# Altium PCB REB215_XPRO_Extension.PcbDoc (part 1 of 5) (continued)
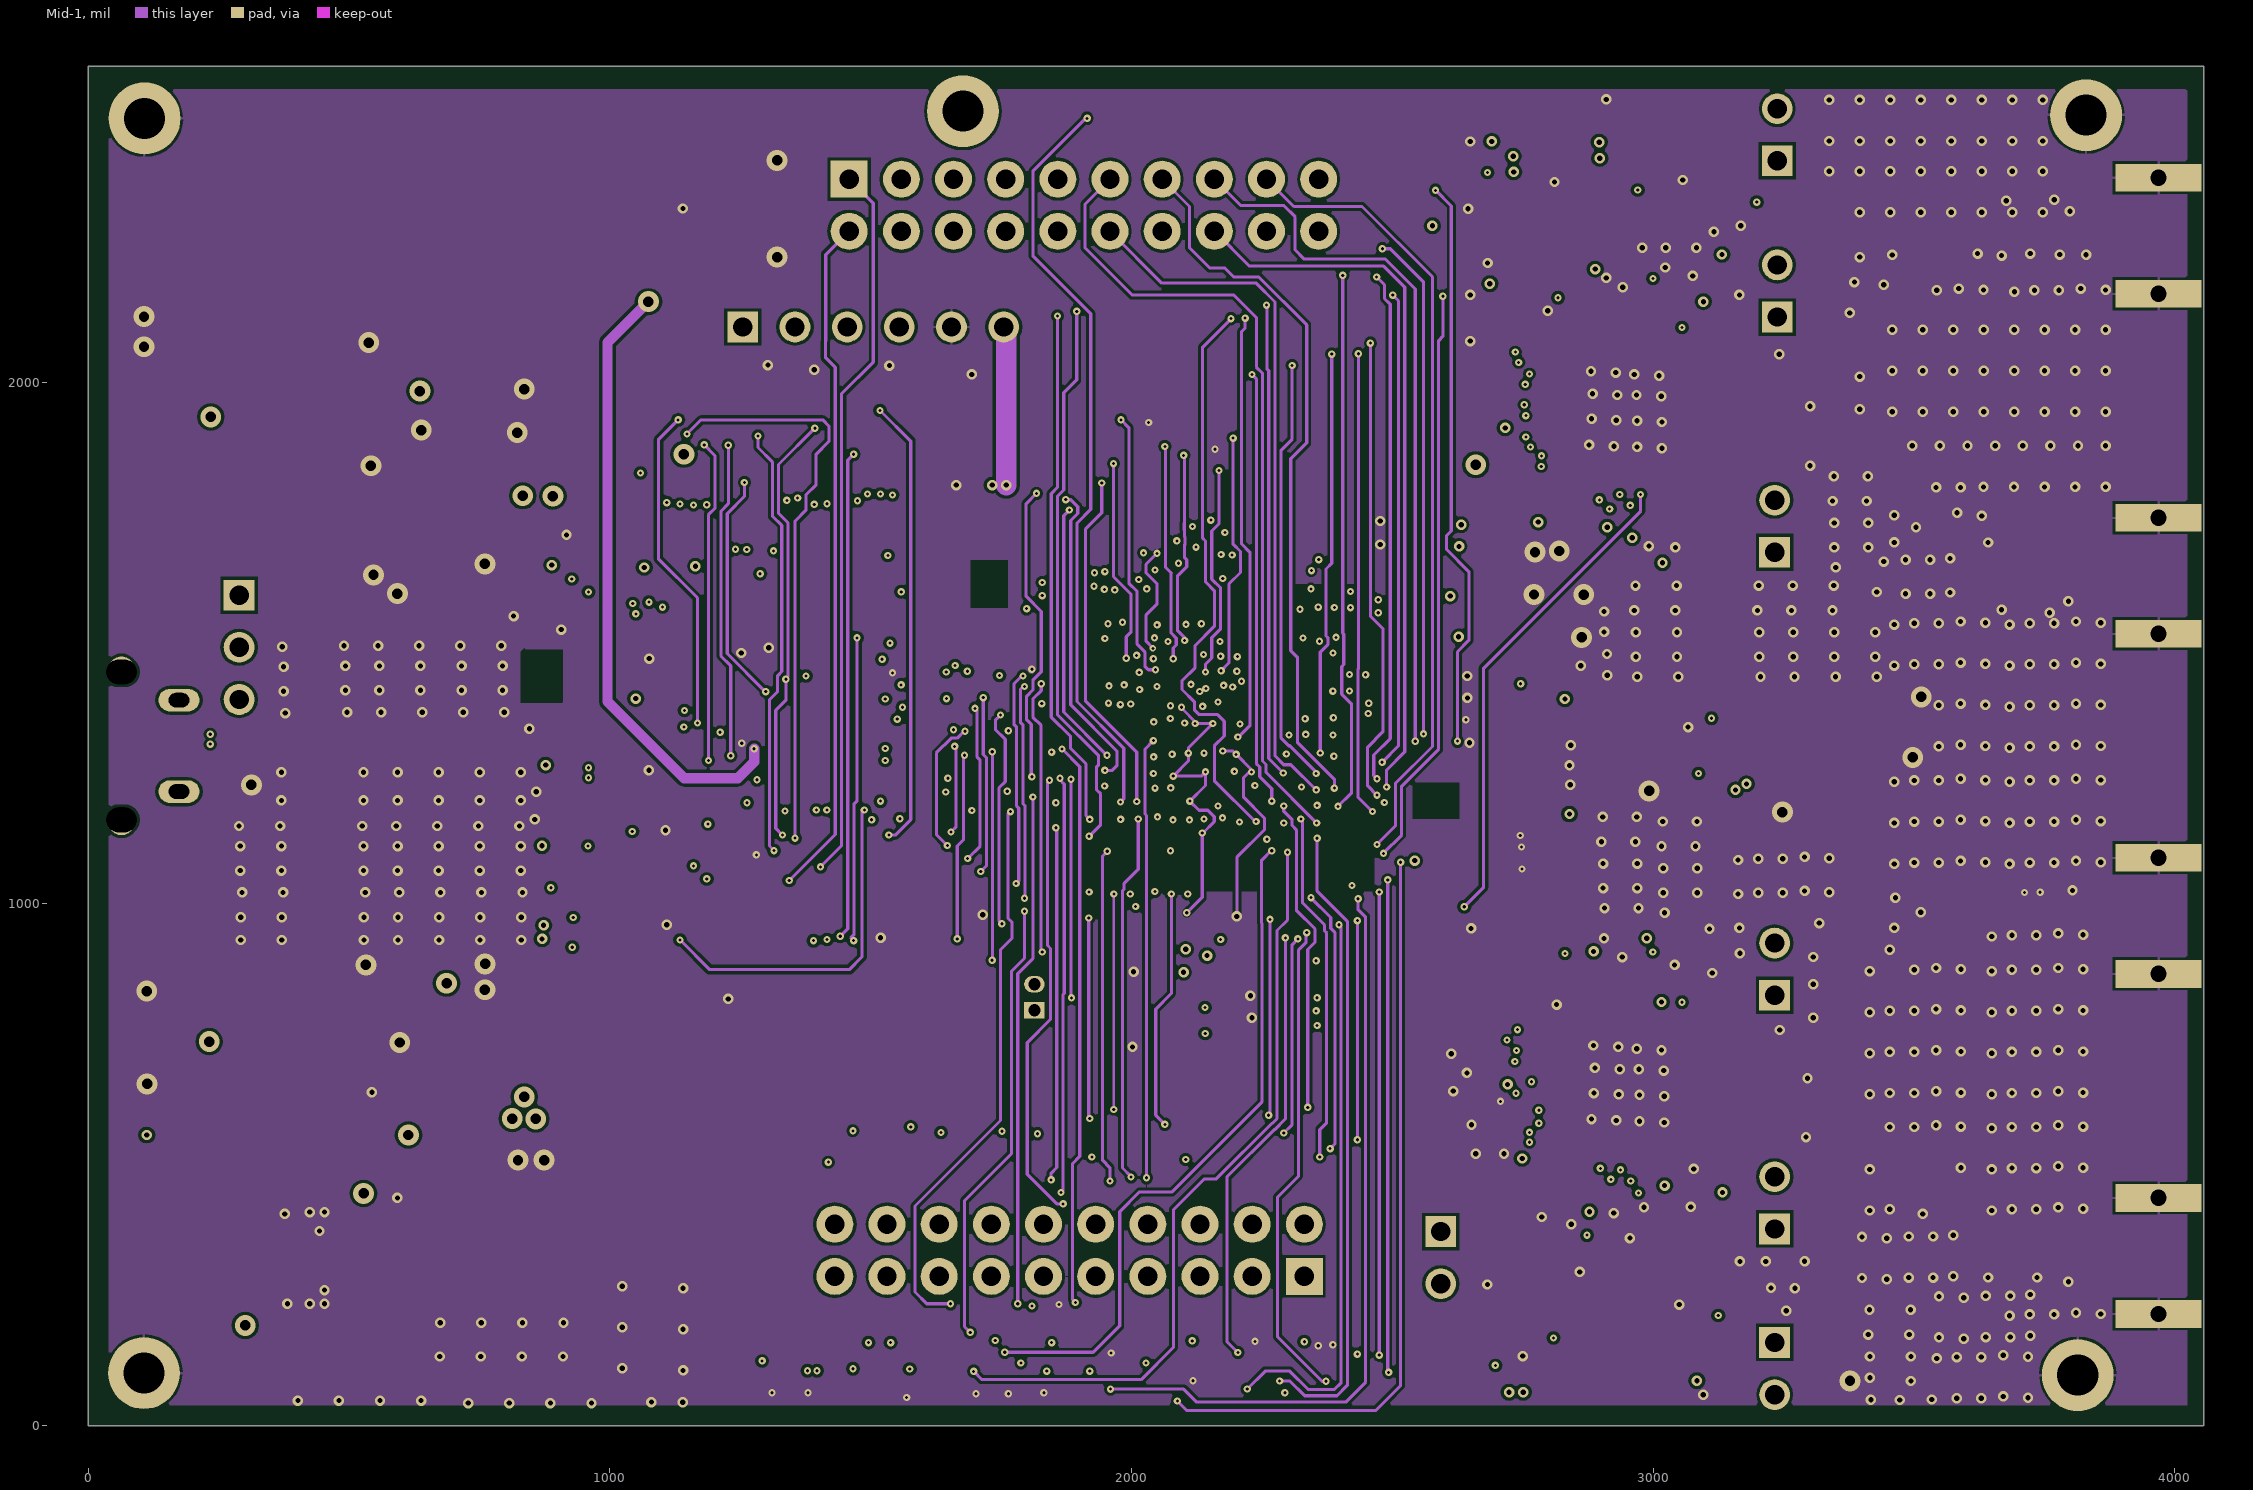
[diagram p4: Mid-1]
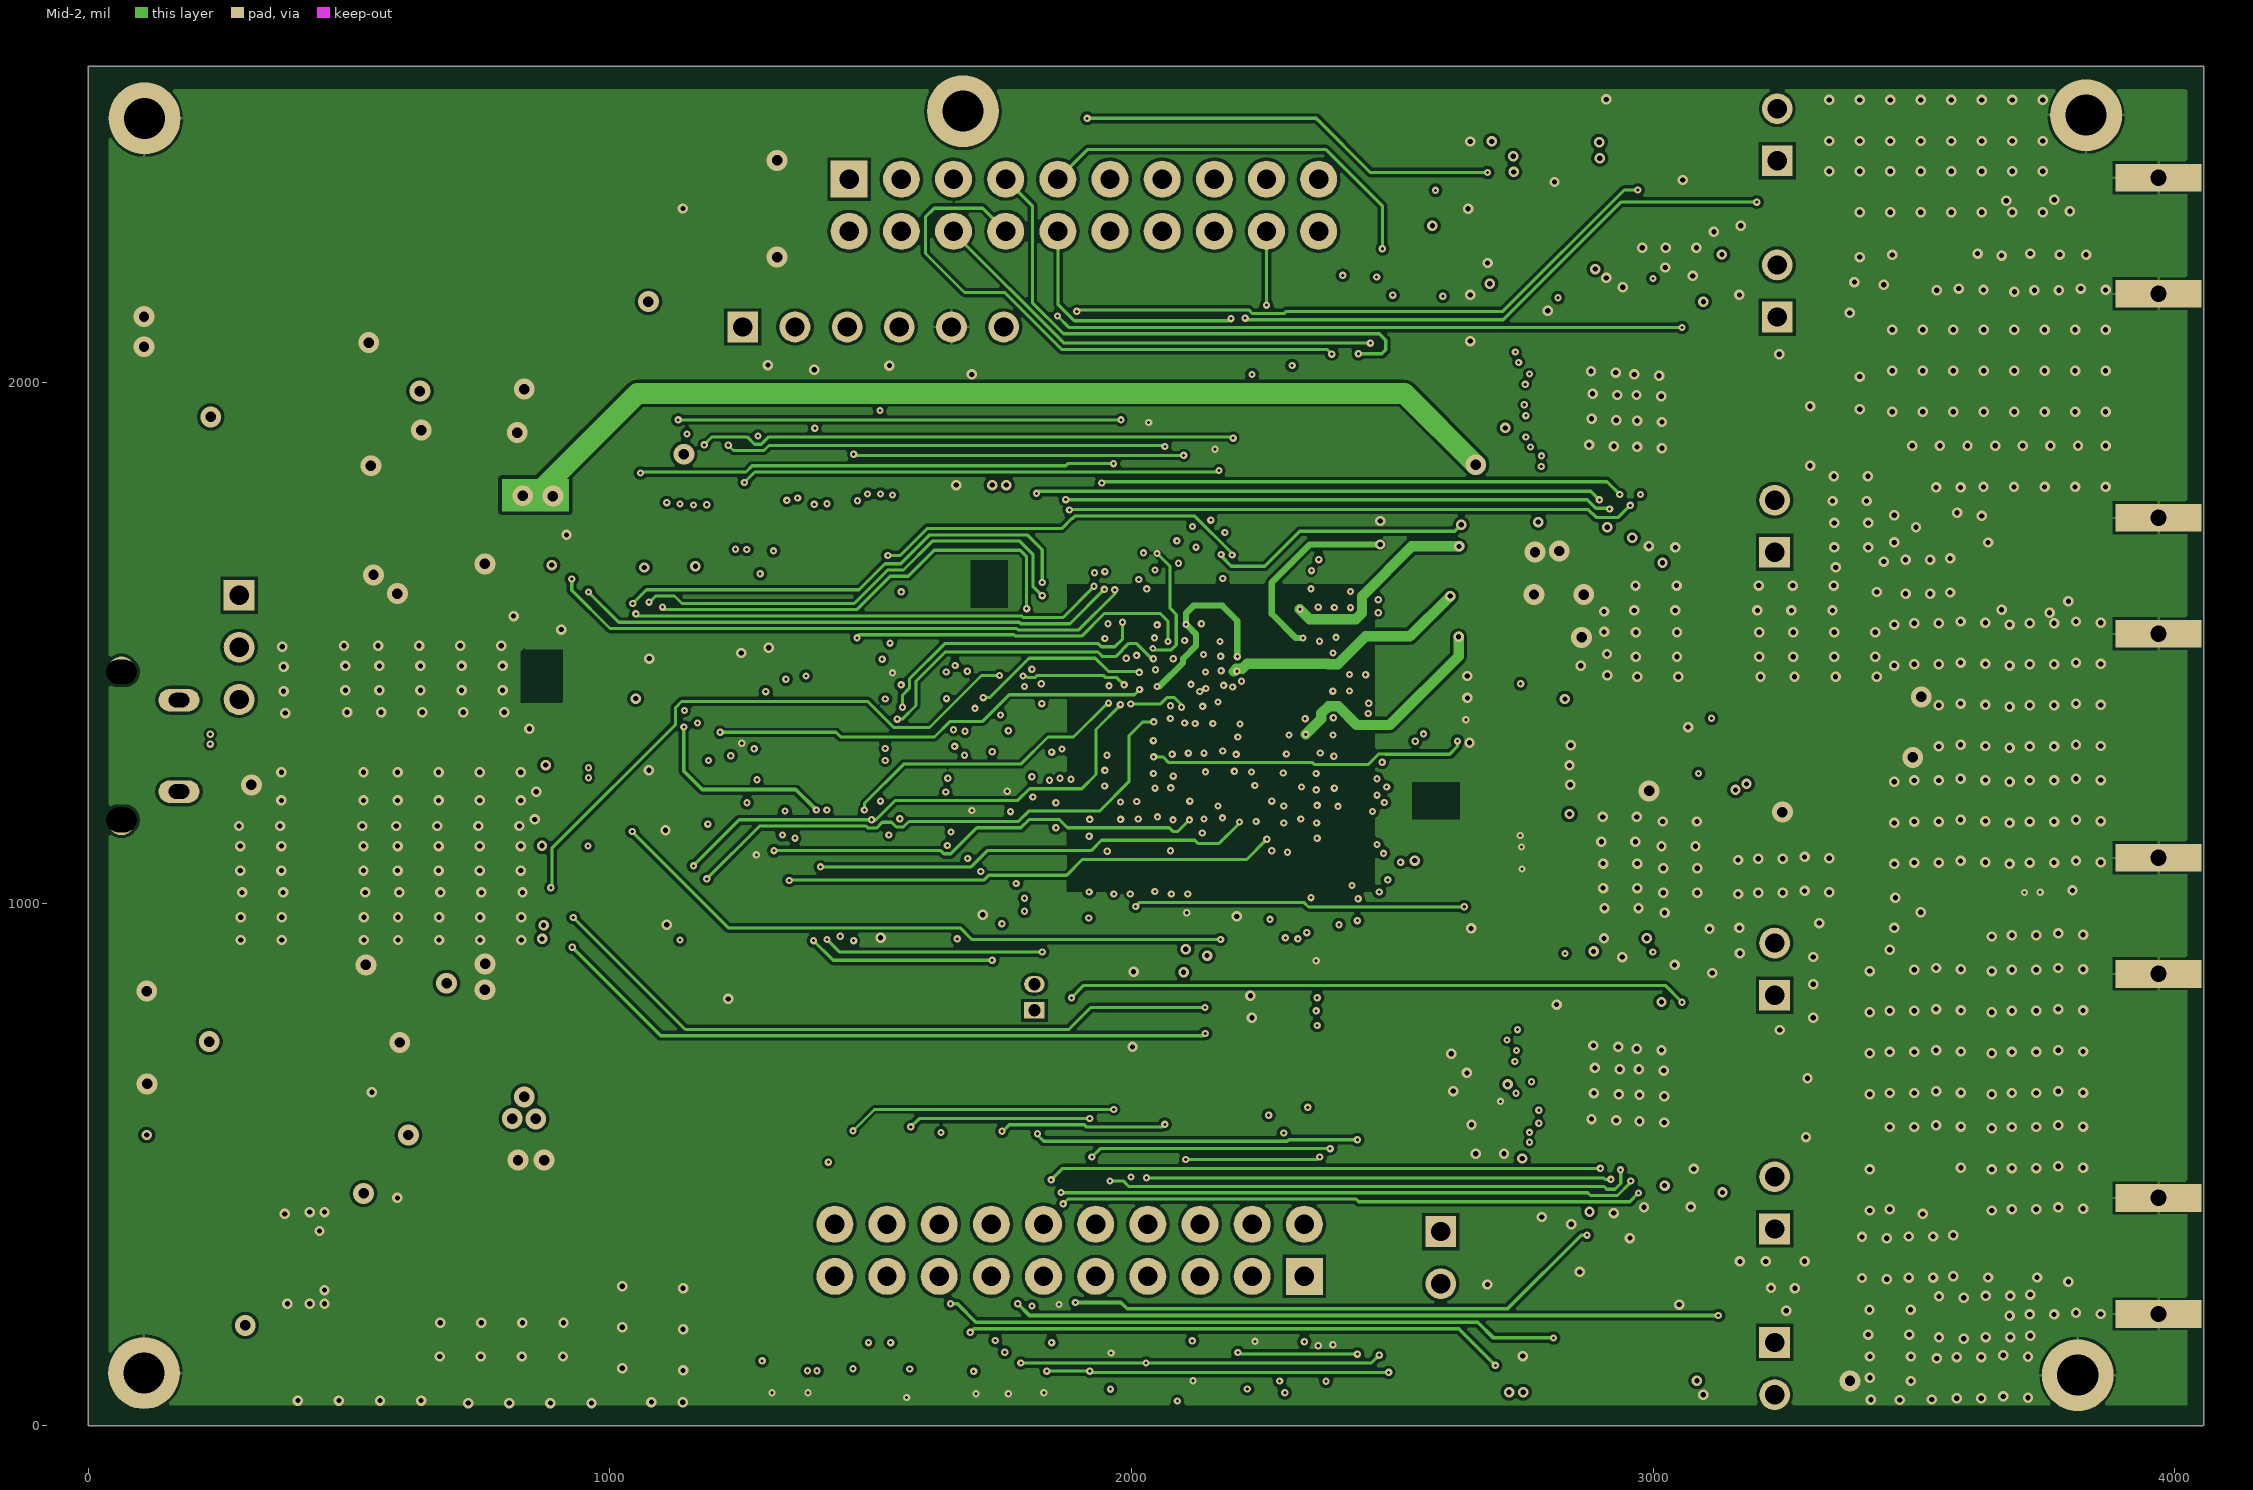
[diagram p5: Mid-2]
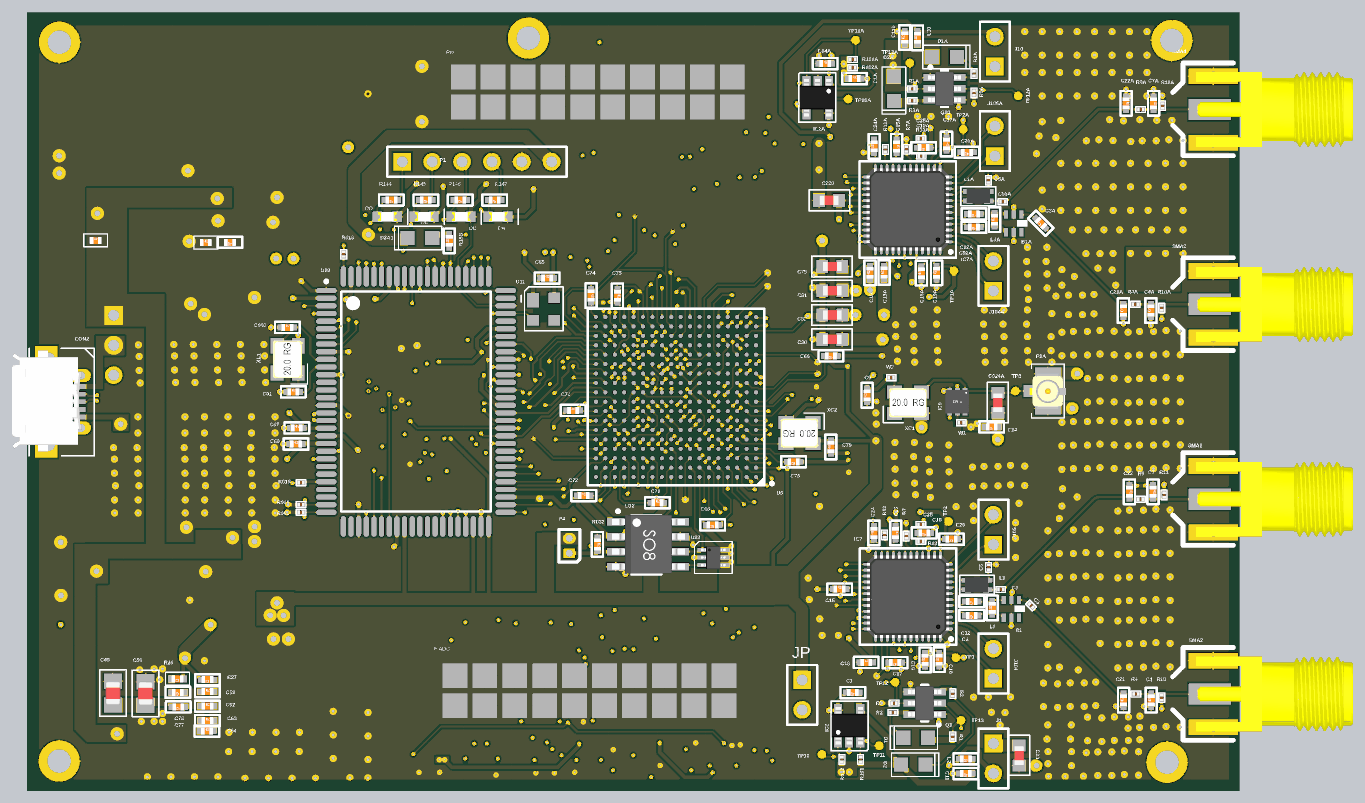
[diagram p10: 3D render of the assembled board from above, using the file's embedded part models]
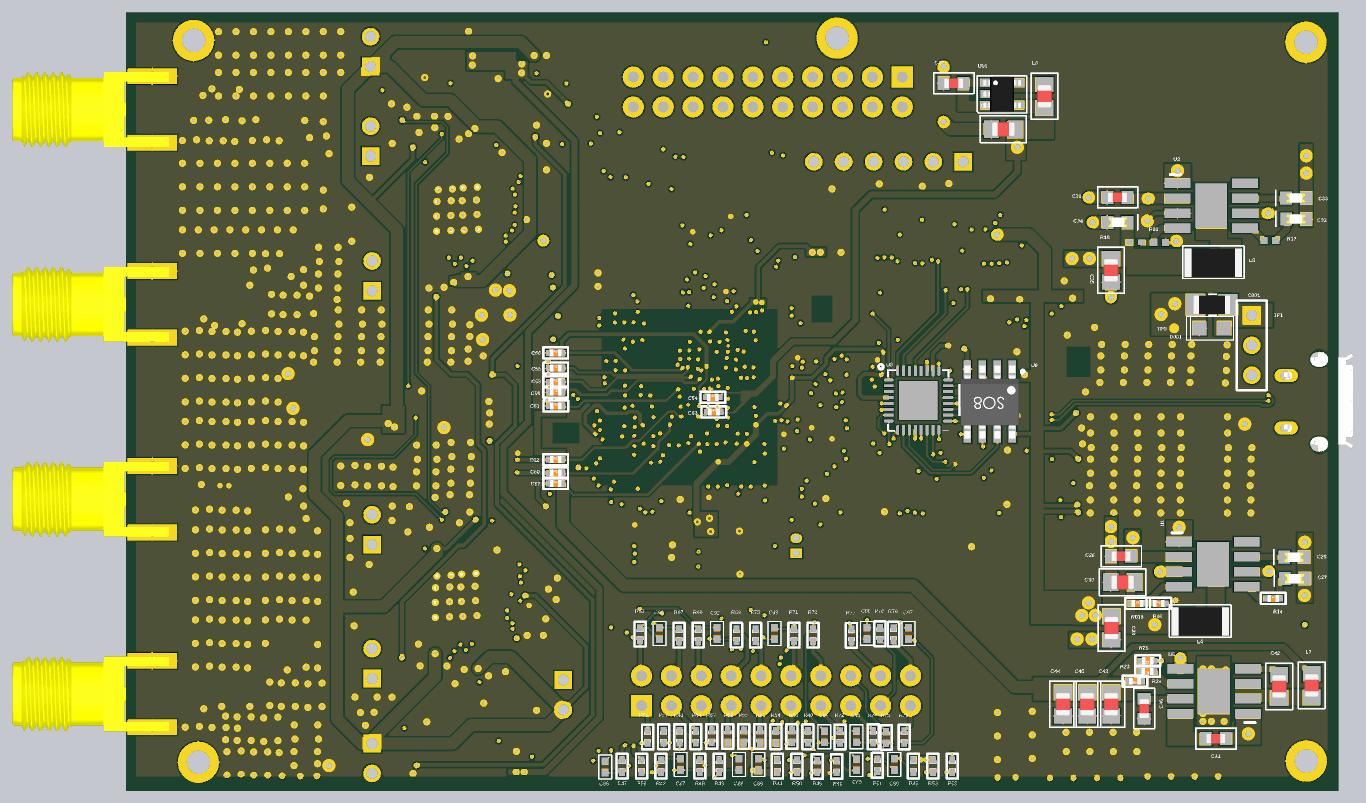
[diagram p11: 3D render of the assembled board from below, using the file's embedded part models]

## Layer stack, top to bottom
Top Solder: solder mask 0.4, Solder Resist, Dk 3.5
Top Layer LF-signals: signal copper 1.4
Dielectric1: core 10, FR-4, Dk 4.2
Signal Layer 1: signal copper 1.417
Dielectric 5: prepreg 10, Dk 4.2
Internal Plane 1: plane copper 1.417, net GND
Dielectric 4: core 10, Dk 4.2
Mid-1: signal copper 1.4
Dielectric2: prepreg 10, FR-4, Dk 4.2
Mid-2: signal copper 1.4
Dielectric3: core 10, FR-4, Dk 4.2
Bottom Layer LF-signals: signal copper 1.4
Bottom Solder: solder mask 0.4, Solder Resist, Dk 3.5

## Board outline
0,0 0,2606 4055.74,2606 4055.74,0.74 4055,0

## Design rules (kind name [scope] priority, off if disabled: settings)
AcuteAngle [All] p1: minimum=0.00000000000000E+0000 checktracksonly=FALSE
AssemblyTestPointUsage [All] p1: allowmultiple=TRUE
AssemblyTestpoint [All] p1: testpointundercomponent=TRUE minsize=31.5 maxsize=393.7 preferedsize=31.5 minholesize=0 maxholesize=78.74 preferedholesize=9.84 testpointgrid=1 usegrid=FALSE gridtolerance=0.01 allowsidebottom=TRUE minspacing=50 compbodyclearance=5
Clearance Clearance_1 [(InDifferentialPairClass('All Differential Pairs'))] p1: gap=5 ignorepadtopadclearanceinfootprint=FALSE except(0: Arc-Hole Track-Hole SMDPad-Hole THPad-Hole Via-Hole Fill-Hole Poly-Hole Region-Hole Text-Hole)
Clearance Clearance_2 [All] p2: gap=5.91 ignorepadtopadclearanceinfootprint=FALSE except(0: Arc-Hole Track-Hole SMDPad-Hole THPad-Hole Via-Hole Fill-Hole Poly-Hole Region-Hole Text-Hole)
Clearance Clearance_TP [InComponentClass('TP') vs IsRegion] p3 off: gap=11.81 ignorepadtopadclearanceinfootprint=FALSE except(0: Arc-Hole Track-Hole SMDPad-Hole THPad-Hole Via-Hole Fill-Hole Poly-Hole Region-Hole Text-Hole)
Clearance Clearance_Poly_Impedance [IsRegion vs (InDifferentialPairClass('All Differential Pairs') OR InNet('NetC22_1') OR InNet('NetC7_1') OR InNet('NetC3_2') OR InNet('NetB1_1') OR InNet('NetC4_1')) OR Innet('netRF24_P') OR InNet('NetC8_2') OR InNet('NetC8_1') OR InNet('NetB1_3') OR InNet('NetB1_4')] p4 off: gap=15.75 ignorepadtopadclearanceinfootprint=FALSE except(0: Arc-Hole Track-Hole SMDPad-Hole THPad-Hole Via-Hole Fill-Hole Poly-Hole Region-Hole Text-Hole)
Clearance 900Mhz_df [InNet('RF09_P') or InNet('RF09_N') Or InNet('RF24_P') or InNet('RF24_N')] p5: gap=9.84 ignorepadtopadclearanceinfootprint=FALSE except(0: Arc-Hole Track-Hole SMDPad-Hole THPad-Hole Via-Hole Fill-Hole Poly-Hole Region-Hole Text-Hole)
Clearance Clearance_SPI [InNetClass('SPI') vs InNetClass('SPI')] p6: gap=9.45 ignorepadtopadclearanceinfootprint=FALSE except(0: Arc-Hole Track-Hole SMDPad-Hole THPad-Hole Via-Hole Fill-Hole Poly-Hole Region-Hole Text-Hole)
Clearance "Stitching GND" [IsStitchingVia and InNet('GND') vs (IsVia and (Not IsStitchingVia)) Or IsPad] p7: gap=7.87 ignorepadtopadclearanceinfootprint=FALSE except(0: Arc-Hole Track-Hole SMDPad-Hole THPad-Hole Via-Hole Fill-Hole Poly-Hole Region-Hole Text-Hole)
Clearance Clearance_Poly_Impedance_1 [IsRegion vs (InNet('VCC_TARGET') OR InNet('VCC_3V3') OR InNet('NetJ1_1'))] p8 off: gap=11.81 ignorepadtopadclearanceinfootprint=FALSE except(0: Arc-Hole Track-Hole SMDPad-Hole THPad-Hole Via-Hole Fill-Hole Poly-Hole Region-Hole Text-Hole)
Clearance Clearance_Poly [IsRegion vs (OnLayer('Top Layer LF-signals') OR OnLayer('Bottom Layer LF-signals'))] p9: gap=10 ignorepadtopadclearanceinfootprint=FALSE except(0: Arc-Hole Track-Hole SMDPad-Hole THPad-Hole Via-Hole Fill-Hole Poly-Hole Region-Hole Text-Hole)
Clearance [All] p10: gap=5.91 ignorepadtopadclearanceinfootprint=FALSE except(0: Arc-Hole Track-Hole SMDPad-Hole THPad-Hole Via-Hole Fill-Hole Poly-Hole Region-Hole Text-Hole)
DiffPairsRouting [(InDifferentialPairClass('All Differential Pairs'))] p1: maxlimit=5.5 minlimit=5 mostfreqgap=5.5 toplayer_maxgap=5 toplayer_prefgap=5 toplayer_minwidth=6.5 toplayer_maxwidth=6.5 toplayer_prefwidth=6.5 midlayer1_mingap=5.5 midlayer1_minwidth=5 midlayer1_maxwidth=5 midlayer1_prefwidth=5 midlayer2_mingap=5.5 midlayer2_minwidth=5 midlayer2_maxwidth=5 midlayer2_prefwidth=5 midlayer3_mingap=5.5 midlayer3_minwidth=5 midlayer3_maxwidth=5 midlayer3_prefwidth=5 bottomlayer_maxgap=5 bottomlayer_prefgap=5 bottomlayer_minwidth=6.5 bottomlayer_maxwidth=6.5 bottomlayer_prefwidth=6.5 maxuncoupledlength=787.4
FabricationTestPointUsage TestPointUsage [All] p1: valid=0 allowmultiple=TRUE
FabricationTestpoint Testpoint [All] p1: side=2 testpointundercomponent=TRUE minsize=21.65 maxsize=393.7 preferedsize=31.5 minholesize=0 maxholesize=78.74 preferedholesize=9.84 testpointgrid=0 allowsidebottom=TRUE usegrid=FALSE gridtolerance=0.01 minspacing=50 compbodyclearance=5
HoleSize [All] p1: absolutevalues=TRUE maxlimit=393.7 minlimit=5.91 maxpercent=80.000 minpercent=20.000
HoleToHoleClearance [All] p1 off: gap=11.81 allowstackedmicrovias=TRUE
MaxMinImpedance "50ohm Impedance" [InNetClass('50ohm Impedance')] p1: minimum=49.00 maximum=51.00
MinimumAnnularRing MinimumAnnularRing_SATA [InComponentClass('Sata')] p1: minimumring=1.57
MinimumAnnularRing [All] p2: minimumring=3.94
MinimumSolderMaskSliver [All] p1: minsoldermaskwidth=0
PlaneClearance [All] p1: clearance=7.87
PlaneConnect PlaneConnect_VIA [IsVia] p1: planeconnectstyle=Direct reliefexpansion=20 reliefentries=4 reliefconductorwidth=10 reliefairgap=10
PlaneConnect [All] p2: planeconnectstyle=Relief reliefexpansion=20 reliefentries=4 reliefconductorwidth=10 reliefairgap=10
PolygonConnect PolygonConnect_VIA [IsVia OR HasPad('Free-666')] p1: connectstyle=Direct reliefconductorwidth=10 reliefentries=4 polygonreliefangle="90 Angle" airgapwidth=10
PolygonConnect [All] p2: connectstyle=Relief reliefconductorwidth=4.92 reliefentries=4 polygonreliefangle="90 Angle" airgapwidth=4.92
RoutingVias [All] p1: holewidth=10 width=20 viastyle="Through Hole" minholewidth=6 minwidth=12 maxholewidth=20 maxwidth=40
SMDNeckDown [All] p1 off: percent=90.000
SilkToSilkClearance SilkToSilkClearance_Text [IsText vs IsText] p1: silktosilkclearance=0
SilkToSilkClearance [All] p2: silktosilkclearance=3.94
SilkToSolderMaskClearance SilkscreenOverComponentPads [IsPad] p1 off: minsilkscreentomaskgap=0.39 clearancetoexposedcopper=TRUE
SolderMaskExpansion SolderMaskTenting [IsVia AND NOT (IsFabTestpoint OR IsAssyTestpoint)] p1: expansion=-39.37
SolderMaskExpansion [All] p2: expansion=1.97
ViasUnderSMD [All] p1: allowed=FALSE
Width Width_1 [(InDifferentialPairClass('All Differential Pairs'))] p1: maxlimit=10 minlimit=10 preferedwidth=10
Width [All] p2: maxlimit=40 minlimit=5 preferedwidth=12
18 further rules are at their usual default settings.

## Classes and differential pairs
net class NewClass: A-ID_SCL A-ID_SDA A-IRQ A-LED_POWER A-LED_TXRX A-MISO A-MOSI A-R\S\T\N\ A-S\S\_\S\E\L\ A-SCLK ID_SCL ID_SDA IRQ LED_POWER LED_TXRX MISO MOSI R\S\T\N\ S\S\_\S\E\L\ SCL SCLK
net class clk: CLK1 NetC25_1
differential pair RF24A: +RF24A_P -RF24A_N
differential pair RF09A: +RF09A_P -RF09A_N
differential pair RF09: +RF09_P -RF09_N
differential pair B1: +B1_P -B1_N
differential pair RF24: +RF24_P -RF24_N
differential pair AD10: +AD10-P -AD10-N
differential pair TXCLKA: +TXCLKA_P -TXCLKA_N
differential pair TXCLK: +TXCLKP -TXCLKN
differential pair TXDA: +TXDA_P -TXDA_N
differential pair TXD: +TXDP -TXDN
differential pair RXDN09A: +RXDP09A_P -RXDN09A_N
differential pair RXD09: +RXDP09 -RXDN09
differential pair RXCLKA: +RXCLKA_P -RXCLKA_N
differential pair RXCLK: +RXCLKP -RXCLKN
differential pair RXDA24: +RXD24A_P -RXD24A_N
differential pair RXD24: +RXD24P -RXD24N
differential pair usb: +NetCON2_2 -NetCON2_3

## Components (designator, comment, footprint, x,y, rotation, side; value= is the part's Value field where it differs from the comment)
B1 "Balun_2.4GHz" "0805 6pin Balun, narrow variant" 3293.11,610.14 r270 top locked
B1A "Balun_2.4GHz" "0805 6pin Balun, narrow variant" 3301,1900 r270 top locked
C1 "CAP-NONPOL" 0402#1 2742,330 r90 top
C001 "Cap Pol1" 1206-res 423.21,1627.36 r0 bottom locked
C01 "Recommended by Escatec. No datasheet available yet." 0402#1 911.34,1336 r270 top
C1A "CAP-NONPOL" 0402#1 2789,2384.28 r270 top
C2 "CAP-NONPOL" 0402#1 3139.85,588.37 r90 top
C002 "Recommended by Escatec. No datasheet available yet." 0402#1 891.34,1551.81 r270 top
C02A "CAP-NONPOL" 0402#1 3147,1887 r90 top
C3 "CAP-NONPOL" 0201 3359.13,621.02 r315 top locked
C3A "CAP-NONPOL" 0402#1 3377,1914.74 r45 top
C4 "This 1.2pF capacitor is used for RF antennae tuning and can not be replaced by alternatives." 0402#1 3761,325.17 r0 top
C4A "This 1.2pF capacitor is used for RF antennae tuning and can not be replaced by alternatives." 0402#1 3760,1628.95 r0 top
C5 "CAP-NONPOL" 0201 3217,749 r90 top locked
C5A "CAP-NONPOL" 0201 3216,2044.4 r90 top locked
C7 "C0G, NP0" 0402#1 3767,981 r180 top
C7A "C0G, NP0" 0402#1 3769,2281 r180 top
C8 "CAP-NONPOL" 0201 3258,675 r0 top locked
C08A "CAP-NONPOL" 0201 3264.65,1972 r0 top
C9 "CAP-NONPOL" 0402#1 2810.43,1345.34 r0 top
C10 "High Temp version" 0402#1 2980.81,863.95 r90 top
C10A "High Temp version" 0402#1 2979,2153 r90 top
C11 "CAP-NONPOL" 0402#1 3120.09,59 r90 top
C12 "CAP-NONPOL" 0402#1 3139.85,634.83 r90 top
C12A "CAP-NONPOL" 0402#1 3147.19,1931.44 r90 top
C13 "CAP-NONPOL" 0402#1 2905.9,843.34 r180 top
C13A "CAP-NONPOL" 0402#1 2867,1756 r0 top
C14 "CAP-NONPOL" 0402#1 3206.5,1219 r90 top
C14A "CAP-NONPOL" 0402#1 2690.71,2434.37 r270 top
C15 "CAP-NONPOL" 0402#1 2738.91,676 r270 top
C15A "CAP-NONPOL" 0402#1 2909,2136.66 r180 top
C16 "CAP-NONPOL" 0402#1 3004.49,460 r0 top
C16A "CAP-NONPOL" 0402#1 2992,1754 r0 top
C17 "CAP-NONPOL" 0402#1 2883.27,430 r90 top
C17A "CAP-NONPOL" 0402#1 3076,2144.66 r180 top
C18 "CAP-NONPOL" 0402#1 2828,431 r270 top
C18A "CAP-NONPOL" 0402#1 2820,1755 r0 top
C19 "CAP-NONPOL" 0402#1 3051.57,460.57 r0 top
C19A "CAP-NONPOL" 0402#1 3042.7,1755.1 r0 top
C20 "CAP-NONPOL" 0402#1 3072,843.34 r90 top
C20A "CAP-NONPOL" 0402#1 3124.15,2137.65 r90 top
C21 "This 1.2pF capacitor is used for RF antennae tuning and can not be replaced by alternatives." 0402#1 3668.65,325.17 r0 top
C21A "This 1.2pF capacitor is used for RF antennae tuning and can not be replaced by alternatives." 0402#1 3668,1628.95 r0 top
C22 "C0G, NP0" 0402#1 3688,981 r180 top
C22A "C0G, NP0" 0402#1 3677,2280.84 r180 top
C23 "CAP-NONPOL" "0603 - cap" 3319,119 r270 top locked
C24 "CAP-NONPOL" 0402#1 2833,884.72 r0 top
C24A "CAP-NONPOL" 0402#1 2834,2178.32 r0 top
C024A "CAP-NONPOL" "0603 - cap" 3247.84,1299.57 r270 top locked
C25 "CAP-NONPOL" 0201 2990.16,892 r180 top
C25A "CAP-NONPOL" 0201 2990.35,2183 r180 top
C26 "CAP-NONPOL" "0603 - cap" 727,786 r0 bottom
C27 "CAP-NONPOL" "0603 LED"#1 179.12,711 r180 bottom
C28 "CAP-NONPOL" "0603 LED"#1 181,783 r180 bottom
C29 "CAP-NONPOL" "0805 - CAP" 759,546 r90 bottom
C30 "CAP-NONPOL" "0805 - CAP" 721.63,699 r180 bottom
C31 "CAP-NONPOL" "0603 - cap" 739,1986.8 r0 bottom
C32 "CAP-NONPOL" "0603 LED"#1 173.99,1914.4 r180 bottom
C33 "CAP-NONPOL" "0603 LED"#1 174.99,1984.4 r180 bottom
C34 "CAP-NONPOL" "0603 LED"#1 705.54,1903.47 r0 bottom
C35 "CAP-NONPOL" "0805 - CAP" 760.5,1743 r90 bottom
C41 "CAP-NONPOL" "0603 - cap" 410,176 r0 bottom locked
C42 "CAP-NONPOL" "0805 - CAP" 198,350.49 r90 bottom locked
C43 "CAP-NONPOL" "0805 - CAP" 760,291 r90 bottom
C44 "CAP-NONPOL" "0805 - CAP" 921.05,291 r90 bottom
C45 "CAP-NONPOL" "0805 - CAP" 840,291 r90 bottom
C46 "CAP-NONPOL" "0603 - cap" 650,276 r270 bottom locked
C47 "CAP-NONPOL" "0603 - cap" 1287.21,2368.6 r0 bottom
C48 "CAP-NONPOL" "0805 - CAP" 1120.75,2215.05 r180 bottom locked
C49 "Recommended by Escatec. No datasheet available yet." "0805 - CAP" 287,328 r270 top
C50 "Recommended by Escatec. No datasheet available yet." "0805 - CAP" 396,327 r270 top
C51 "Recommended by Escatec. No datasheet available yet." 0402#1 623.67,332.81 r270 top
C52 "Recommended by Escatec. No datasheet available yet." 0402#1 623.67,284.38 r270 top
C53 "Recommended by Escatec. No datasheet available yet." 0402#1 2068.66,1269 r270 bottom
C54 "Recommended by Escatec. No datasheet available yet." 0402#1 2072.23,1318 r270 bottom
C55 "Recommended by Escatec. No datasheet available yet." 0402#1 2598,1415.42 r270 bottom
C56 "Recommended by Escatec. No datasheet available yet." 0402#1 2598,1466.6 r270 bottom
C57 "Recommended by Escatec. No datasheet available yet." 0402#1 2598,1030 r270 bottom
C58 "Recommended by Escatec. No datasheet available yet." 0402#1 2598,1369.87 r270 bottom
C59 "Recommended by Escatec. No datasheet available yet." 0402#1 2598,1335.24 r270 bottom
C60 "Recommended by Escatec. No datasheet available yet." 0402#1 2598,1064.74 r270 bottom
C61 "Recommended by Escatec. No datasheet available yet." 0402#1 2597.66,1289 r270 bottom
C62 "Recommended by Escatec. No datasheet available yet." 0402#1 2598,1109.15 r270 bottom
C63 "Recommended by Escatec. No datasheet available yet." 0402#1 623.67,235.95 r270 top